# KiCad board Leopold Replacement.kicad_pcb
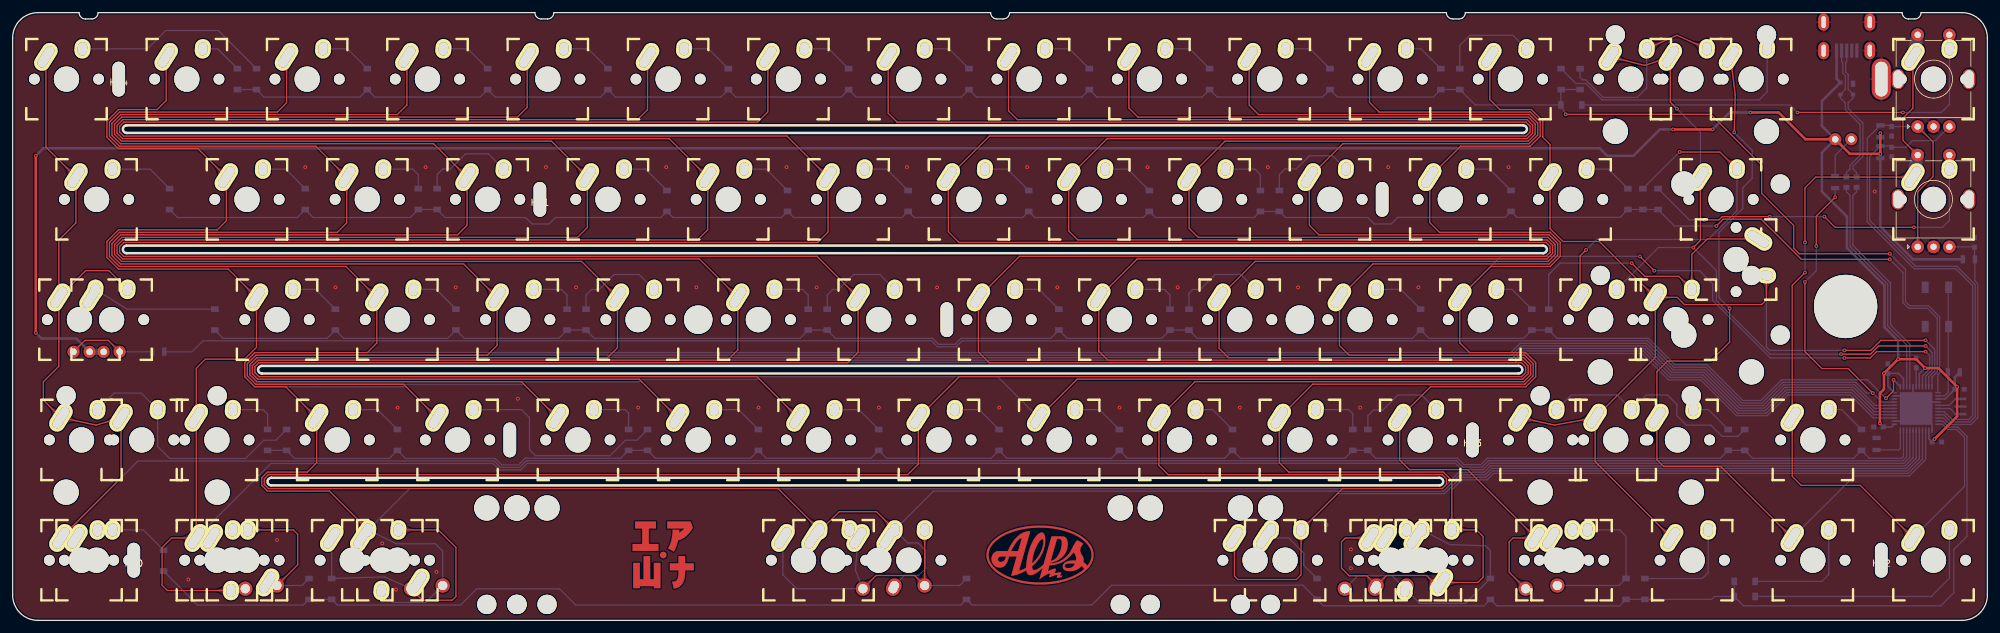
[diagram p0: board, top side]
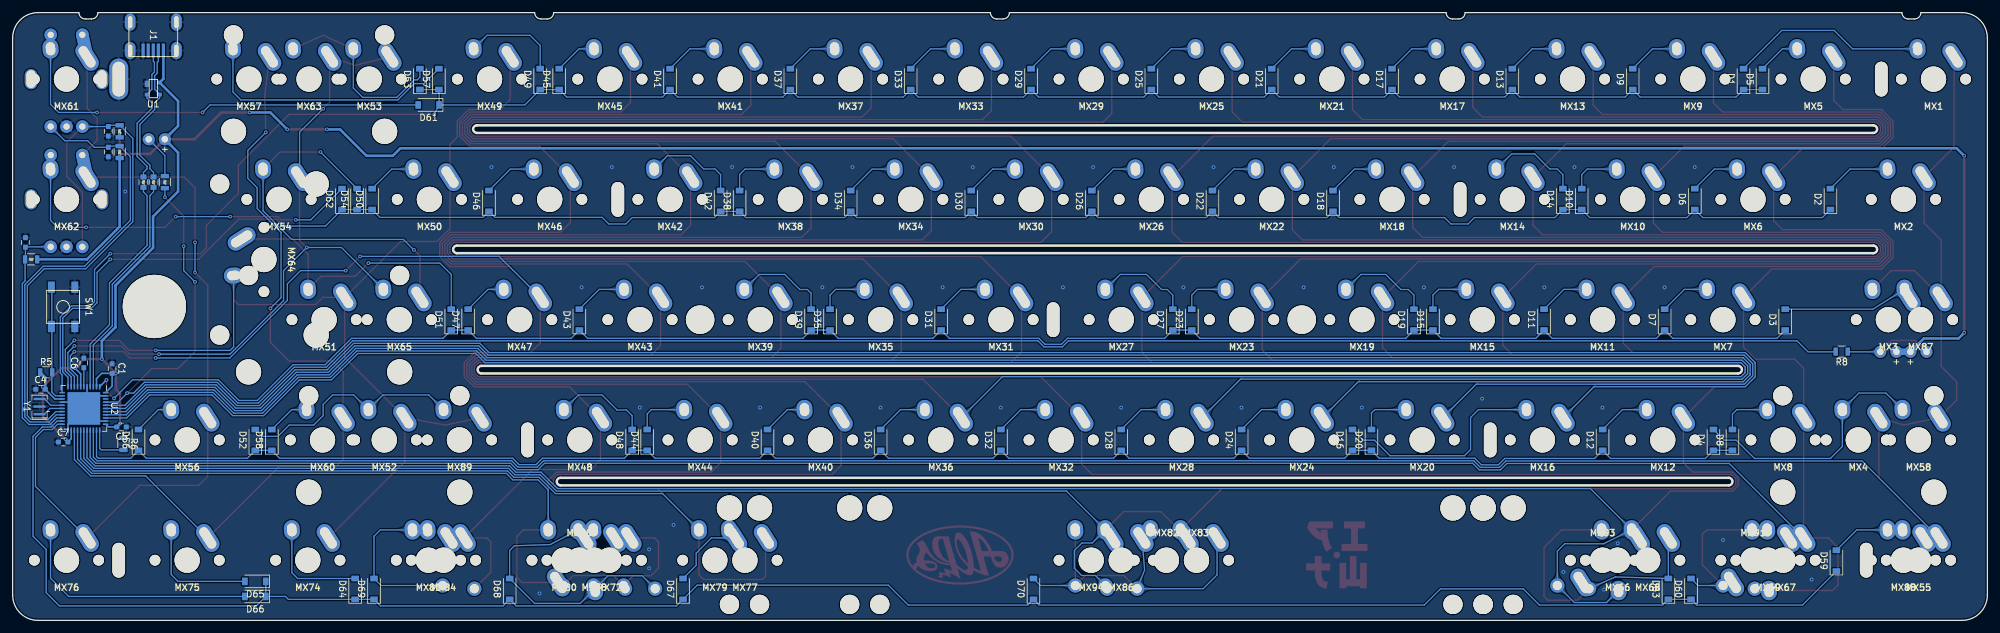
[diagram p1: board, bottom side, seen from below]

Outline 311.97 x 96.05 mm; copper layers: Top, Bottom. Coordinates in mm from the lower left corner of the outline.
Outline path: 0,92.05 0,4 arc(1.17,1.17) 4,0 307.97,0 arc(310.79,1.17) 311.97,4 311.97,92.05 arc(310.79,94.88) 307.97,96.05 301.5,96.05 arc(301.21,95.34) 300.5,95.05 299.5,95.05 arc(298.79,95.34) 298.5,96.05 229.5,96.05 arc(229.21,95.34) 228.5,95.05 227.5,95.05 arc(226.79,95.34) 226.5,96.05 157.5,96.05 arc(157.21,95.34) 156.5,95.05 155.5,95.05 arc(154.79,95.34) 154.5,96.05 85.5,96.05 arc(85.21,95.34) 84.5,95.05 83.5,95.05 arc(82.79,95.34) 82.5,96.05 13.5,96.05 arc(13.21,95.34) 12.5,95.05 11.5,95.05 arc(10.79,95.34) 10.5,96.05 4,96.05 arc(1.17,94.88) 0,92.05 ; 18.01,78.24 238.62,78.24 arc(239.22,77.64) 238.62,77.04 18.01,77.04 arc(17.41,77.64) 18.01,78.24 ; 18.01,59.23 241.78,59.23 arc(242.38,58.63) 241.78,58.03 18.01,58.03 arc(17.41,58.63) 18.01,59.23 ; 39.37,40.22 237.91,40.22 arc(238.51,39.62) 237.91,39.02 39.37,39.02 arc(38.77,39.62) 39.37,40.22 ; 40.86,22.53 225.41,22.53 arc(226.01,21.93) 225.41,21.33 40.86,21.33 arc(40.26,21.93) 40.86,22.53

## Placement (name value [footprint] x y rotation side)
C1  10uF  [C_0603]  296.25 39.79 270 bottom
C2  0.1uF  [C_0603]  296.85 77.3 90 bottom
C3  0.1uF  [C_0603]  296.85 74.02 270 bottom
C4  0.1uF  [C_0603]  307.56 36.52 180 bottom
C5  0.1uF  [C_0603]  294.77 30.57 0 bottom
C6  1uF  [C_0603]  300.72 40.69 90 bottom
C7  0.1uF  [C_0603]  303.99 28.18 180 bottom
C8  0.1uF  [C_0603]  309.95 59.74 90 bottom
D1  D  [D_SOD-123]  38.52 85.55 90 bottom
D2  D  [D_SOD-123]  24.79 66.58 90 bottom
D3  D  [D_SOD-123]  31.93 47.53 90 bottom
D4  D  [D_SOD-123]  43.27 28.52 90 bottom
D5  D  [D_SOD-123]  35.52 85.55 90 bottom
D6  D  [D_SOD-123]  46.22 66.58 90 bottom
D7  D  [D_SOD-123]  50.98 47.53 90 bottom
D8  D  [D_SOD-123]  40.27 28.52 90 bottom
D9  D  [D_SOD-123]  56.03 85.55 90 bottom
D10  D  [D_SOD-123]  64.08 66.58 90 bottom
D11  D  [D_SOD-123]  70.03 47.53 90 bottom
D12  D  [D_SOD-123]  60.78 28.52 90 bottom
D13  D  [D_SOD-123]  75.04 85.55 90 bottom
D14  D  [D_SOD-123]  67.06 66.58 90 bottom
D15  D  [D_SOD-123]  87.58 47.53 90 bottom
D16  D  [D_SOD-123]  100.3 28.52 90 bottom
D17  D  [D_SOD-123]  94.05 85.55 90 bottom
D18  D  [D_SOD-123]  103.37 66.28 90 bottom
D19  D  [D_SOD-123]  90.58 47.53 90 bottom
D20  D  [D_SOD-123]  97.3 28.52 90 bottom
D21  D  [D_SOD-123]  113.06 85.55 90 bottom
D22  D  [D_SOD-123]  122.42 66.28 90 bottom
D23  D  [D_SOD-123]  125.68 47.53 90 bottom
D24  D  [D_SOD-123]  117.81 28.52 90 bottom
D25  D  [D_SOD-123]  132.07 85.55 90 bottom
D26  D  [D_SOD-123]  141.47 66.28 90 bottom
D27  D  [D_SOD-123]  128.68 47.53 90 bottom
D28  D  [D_SOD-123]  136.82 28.52 90 bottom
D29  D  [D_SOD-123]  151.08 85.55 90 bottom
D30  D  [D_SOD-123]  160.52 66.28 90 bottom
D31  D  [D_SOD-123]  165.28 47.53 90 bottom
D32  D  [D_SOD-123]  155.83 28.52 90 bottom
D33  D  [D_SOD-123]  170.09 85.55 90 bottom
D34  D  [D_SOD-123]  179.57 66.28 90 bottom
D35  D  [D_SOD-123]  182.83 47.53 90 bottom
D36  D  [D_SOD-123]  174.84 28.52 90 bottom
D37  D  [D_SOD-123]  189.1 85.55 90 bottom
D38  D  [D_SOD-123]  197.12 66.28 90 bottom
D39  D  [D_SOD-123]  185.83 47.53 90 bottom
D40  D  [D_SOD-123]  192.71 28.52 90 bottom
D41  D  [D_SOD-123]  208.11 85.55 90 bottom
D42  D  [D_SOD-123]  200.12 66.28 90 bottom
D43  D  [D_SOD-123]  222.43 47.53 90 bottom
D44  D  [D_SOD-123]  211.72 28.52 90 bottom
D45  D  [D_SOD-123]  225.62 85.55 90 bottom
D46  D  [D_SOD-123]  236.72 66.28 90 bottom
D47  D  [D_SOD-123]  240 47.53 90 bottom
D48  D  [D_SOD-123]  214.1 28.52 90 bottom
D49  D  [D_SOD-123]  228.62 85.55 90 bottom
D50  D  [D_SOD-123]  255.18 66.58 90 bottom
D51  D  [D_SOD-123]  242.67 47.53 90 bottom
D52  D  [D_SOD-123]  273.63 28.52 90 bottom
D53  D  [D_SOD-123]  247.63 85.55 90 bottom
D54  D  [D_SOD-123]  257.56 66.58 90 bottom
D55  LED  [MXOnly-LEDONLY]  15.63 47.53 0 top
D56  D  [D_SOD-123]  292.08 28.52 90 bottom
D57  D  [D_SOD-123]  244.63 85.55 90 bottom
D58  D  [D_SOD-123]  271.02 28.52 90 bottom
D59  D  [D_SOD-123]  23.84 9.43 90 bottom
D60  D  [D_SOD-123]  46.82 4.97 90 bottom
D61  D  [D_SOD-123]  246.25 81.47 0 bottom
D62  D  [D_SOD-123]  259.94 66.58 90 bottom
D63  D  [D_SOD-123]  50.39 4.97 90 bottom
D64  D  [D_SOD-123]  257.86 4.97 90 bottom
D65  D  [D_SOD-123]  273.63 6.16 0 bottom
D66  D  [D_SOD-123]  273.63 3.78 0 bottom
D67  D  [D_SOD-123]  206.06 4.97 90 bottom
D68  D  [D_SOD-123]  233.45 4.97 90 bottom
D69  D  [D_SOD-123]  254.88 4.97 90 bottom
D70  D  [D_SOD-123]  150.7 4.97 90 bottom
D71  LED  [MXOnly-LEDONLY-FLIPPED]  10.88 47.53 0 top
D72  LED  [MXOnly-LEDONLY-MID]  289.2 76.04 0 top
G***  LOGO  [ALPS]  162.31 10.33 0 top
G***#2  LOGO  [IPWT21x21]  102.78 10.32 0 top
H6  MountingHole  [10mm-Leopold-Mounting-Hole]  289.58 49.61 0 top
H7  MountingHole  [Leopold-Mounting-Hole-Main]  147.58 47.53 0 top
H8  MountingHole  [Leopold-Mounting-Hole-Main]  78.54 28.52 0 top
H9  MountingHole  [Leopold-Mounting-Hole-Main]  216.36 66.54 0 top
H10  MountingHole  [Leopold-Mounting-Hole-Main]  19.13 9.51 0 top
H11  MountingHole  [Leopold-Mounting-Hole-Main]  83.29 66.54 0 top
H12  MountingHole  [Leopold-Mounting-Hole-Main]  295.21 9.51 0 top
H13  MountingHole  [Leopold-Mounting-Hole-Main]  230.62 28.52 0 top
H14  MountingHole  [Leopold-Mounting-Hole-Main]  16.75 85.55 0 top
H15  MountingHole  [Leopold-mounting-hole-circle]  108.31 47.53 0 top
H16  MountingHole  [Leopold-mounting-hole-circle]  203.36 47.53 0 top
J1  USB_B_Mini  [Molex-0548190589]  289.75 94.55 270 bottom
J2  Conn_01x01_Female  [Leopold-Mounting-Hole]  295.21 85.55 0 top
LOGO1  Logo_Open_Hardware_Large  [sanpjxlogo]  28 47.55 0 top
MX1  MX-NoLED-MX_Alps_Hybrid  [Mx_Alps_100]  8.51 85.55 0 top
MX2  MX-NoLED-MX_Alps_Hybrid  [Mx_Alps_100]  13.26 66.54 0 top
MX3  MX-NoLED-MX_Alps_Hybrid  [Mx_Alps_100]  15.63 47.53 0 top
MX4  MX-NoLED-MX_Alps_Hybrid  [Mx_Alps_225]  20.39 28.52 0 top
MX5  MX-NoLED-MX_Alps_Hybrid  [Mx_Alps_100]  27.52 85.55 0 top
MX6  MX-NoLED-MX_Alps_Hybrid  [Mx_Alps_100]  37.02 66.54 0 top
MX7  MX-NoLED-MX_Alps_Hybrid  [Mx_Alps_100]  41.77 47.53 0 top
MX8  MX-NoLED-MX_Alps_Hybrid  [Mx_Alps_100]  32.27 28.52 0 top
MX9  MX-NoLED-MX_Alps_Hybrid  [Mx_Alps_100]  46.52 85.55 0 top
MX10  MX-NoLED-MX_Alps_Hybrid  [Mx_Alps_100]  56.03 66.54 0 top
MX11  MX-NoLED-MX_Alps_Hybrid  [Mx_Alps_100]  60.78 47.53 0 top
MX12  MX-NoLED-MX_Alps_Hybrid  [Mx_Alps_100]  51.28 28.52 0 top
MX13  MX-NoLED-MX_Alps_Hybrid  [Mx_Alps_100]  65.53 85.55 0 top
MX14  MX-NoLED-MX_Alps_Hybrid  [Mx_Alps_100]  75.04 66.54 0 top
MX15  MX-NoLED-MX_Alps_Hybrid  [Mx_Alps_100]  79.79 47.53 0 top
MX16  MX-NoLED-MX_Alps_Hybrid  [Mx_Alps_100]  70.29 28.52 0 top
MX17  MX-NoLED-MX_Alps_Hybrid  [Mx_Alps_100]  84.55 85.55 0 top
MX18  MX-NoLED-MX_Alps_Hybrid  [Mx_Alps_100]  94.05 66.54 0 top
MX19  MX-NoLED-MX_Alps_Hybrid  [Mx_Alps_100]  98.8 47.53 0 top
MX20  MX-NoLED-MX_Alps_Hybrid  [Mx_Alps_100]  89.3 28.52 0 top
MX21  MX-NoLED-MX_Alps_Hybrid  [Mx_Alps_100]  103.56 85.55 0 top
MX22  MX-NoLED-MX_Alps_Hybrid  [Mx_Alps_100]  113.06 66.54 0 top
MX23  MX-NoLED-MX_Alps_Hybrid  [Mx_Alps_100]  117.81 47.53 0 top
MX24  MX-NoLED-MX_Alps_Hybrid  [Mx_Alps_100]  108.31 28.52 0 top
MX25  MX-NoLED-MX_Alps_Hybrid  [Mx_Alps_100]  122.56 85.55 0 top
MX26  MX-NoLED-MX_Alps_Hybrid  [Mx_Alps_100]  132.07 66.54 0 top
MX27  MX-NoLED-MX_Alps_Hybrid  [Mx_Alps_100]  136.82 47.53 0 top
MX28  MX-NoLED-MX_Alps_Hybrid  [Mx_Alps_100]  127.32 28.52 0 top
MX29  MX-NoLED-MX_Alps_Hybrid  [Mx_Alps_100]  141.57 85.55 0 top
MX30  MX-NoLED-MX_Alps_Hybrid  [Mx_Alps_100]  151.08 66.54 0 top
MX31  MX-NoLED-MX_Alps_Hybrid  [Mx_Alps_100]  155.83 47.53 0 top
MX32  MX-NoLED-MX_Alps_Hybrid  [Mx_Alps_100]  146.33 28.52 0 top
MX33  MX-NoLED-MX_Alps_Hybrid  [Mx_Alps_100]  160.59 85.55 0 top
MX34  MX-NoLED-MX_Alps_Hybrid  [Mx_Alps_100]  170.09 66.54 0 top
MX35  MX-NoLED-MX_Alps_Hybrid  [Mx_Alps_100]  174.84 47.53 0 top
MX36  MX-NoLED-MX_Alps_Hybrid  [Mx_Alps_100]  165.34 28.52 0 top
MX37  MX-NoLED-MX_Alps_Hybrid  [Mx_Alps_100]  179.59 85.55 0 top
MX38  MX-NoLED-MX_Alps_Hybrid  [Mx_Alps_100]  189.1 66.54 0 top
MX39  MX-NoLED-MX_Alps_Hybrid  [Mx_Alps_100]  193.85 47.53 0 top
MX40  MX-NoLED-MX_Alps_Hybrid  [Mx_Alps_100]  184.35 28.52 0 top
MX41  MX-NoLED-MX_Alps_Hybrid  [Mx_Alps_100]  198.6 85.55 0 top
MX42  MX-NoLED-MX_Alps_Hybrid  [Mx_Alps_100]  208.11 66.54 0 top
MX43  MX-NoLED-MX_Alps_Hybrid  [Mx_Alps_100]  212.86 47.53 0 top
MX44  MX-NoLED-MX_Alps_Hybrid  [Mx_Alps_100]  203.36 28.52 0 top
MX45  MX-NoLED-MX_Alps_Hybrid  [Mx_Alps_100]  217.62 85.55 0 top
MX46  MX-NoLED-MX_Alps_Hybrid  [Mx_Alps_100]  227.12 66.54 0 top
MX47  MX-NoLED-MX_Alps_Hybrid  [Mx_Alps_100]  231.87 47.53 0 top
MX48  MX-NoLED-MX_Alps_Hybrid  [Mx_Alps_100]  222.37 28.52 0 top
MX49  MX-NoLED-MX_Alps_Hybrid  [Mx_Alps_100]  236.62 85.55 0 top
MX50  MX-NoLED-MX_Alps_Hybrid  [Mx_Alps_100]  246.13 66.54 0 top
MX51  MX-NoLED-MX_Alps_Hybrid  [Mx_Alps_225]  262.76 47.53 0 top
MX52  MX-NoLED-MX_Alps_Hybrid  [Mx_Alps_225]  253.26 28.52 0 top
MX53  MX-NoLED-MX_Alps_Hybrid  [Mx_Alps_100]  255.63 85.55 0 top
MX54  MX-NoLED-MX_Alps_Hybrid  [Mx_Alps_100]  269.89 66.54 0 top
MX55  MX-NoLED-MX_Alps_Hybrid  [Mx_Alps_125]  10.88 9.51 0 top
MX56  MX-NoLED-MX_Alps_Hybrid  [Mx_Alps_100]  284.4 28.52 0 top
MX57  MX-NoLED-MX_Alps_Hybrid  [Mx_Alps_100]  274.64 85.55 0 top
MX58  MX-NoLED-MX_Alps_Hybrid  [Mx_Alps_100]  10.88 28.52 0 top
MX59  MX-NoLED-MX_Alps_Hybrid  [Mx_Alps_125]  34.64 9.51 0 top
MX60  MX-NoLED-MX_Alps_Hybrid  [Mx_Alps_100]  263.01 28.52 0 top
MX61  MX-NoLED-MX_Alps_Hybrid  [Mx_Alps_100]  303.46 85.55 0 top
MX62  MX-NoLED-MX_Alps_Hybrid  [Mx_Alps_100]  303.46 66.54 0 top
MX63  MX-NoLED-MX_Alps_Hybrid  [Mx_Alps_200]  265.14 85.55 0 top
MX64  MX-NoLED-MX_Alps_Hybrid  [Mx_Alps_225]  272.27 57.03 270 top
MX65  MX-NoLED-MX_Alps_Hybrid  [Mx_Alps_100]  250.88 47.53 0 top
MX66  MX-NoLED-MX_Alps_Hybrid  [Mx_Alps_125]  58.41 9.51 0 top
MX67  MX-NoLED-MX_Alps_Hybrid  [Mx_Alps_100]  32.27 9.51 0 top
MX68  MX-NoLED-MX_Alps_Hybrid  [Mx_Alps_125]  53.65 9.51 0 top
MX69  MX-NoLED-MX_Alps_Hybrid  [ALPS-1.5U]  222.47 9.51 180 top
MX70  MX-NoLED-MX_Alps_Hybrid  [ALPS-1.5U]  241.53 9.51 180 top
MX71  MX-NoLED-MX_Alps_Hybrid  [ALPS-1.5U]  212.96 9.51 180 top
MX72  MX-NoLED-MX_Alps_Hybrid  [Mx_Alps_150]  217.71 9.51 0 top
MX73  MX-NoLED-MX_Alps_Hybrid  [ALPS-6.5U]  141.57 9.51 180 top
MX74  MX-NoLED-MX_Alps_Hybrid  [Mx_Alps_100]  265.34 9.51 0 top
MX75  MX-NoLED-MX_Alps_Hybrid  [Mx_Alps_100]  284.4 9.51 0 top
MX76  MX-NoLED-MX_Alps_Hybrid  [Mx_Alps_100]  303.46 9.51 0 top
MX77  MX-NoLED-MX_Alps_Hybrid  [Mx_Alps_125]  196.28 9.51 0 top
MX78  MX-NoLED-MX_Alps_Hybrid  [Mx_Alps_125]  220.09 9.51 0 top
MX79  MX-NoLED-MX_Alps_Hybrid  [Mx_Alps_125]  201.03 9.51 0 top
MX80  MX-NoLED-MX_Alps_Hybrid  [Mx_Alps_125]  224.84 9.51 0 top
MX81  MX-NoLED-MX_Alps_Hybrid  [Mx_Alps_100]  246.28 9.51 0 top
MX82  MX-NoLED-MX_Alps_Hybrid  [Mx_Alps_625_FL]  129.69 9.51 180 top
MX83  MX-NoLED-MX_Alps_Hybrid  [Mx_Alps_625_FL]  124.94 9.51 180 top
MX84  MX-NoLED-MX_Alps_Hybrid  [Mx_Alps_125]  243.9 9.51 0 top
MX85  MX-NoLED-MX_Alps_Hybrid  [ALPS-6.5U]  136.82 9.51 180 top
MX86  MX-NoLED-MX_Alps_Hybrid  [Mx_Alps_700_FL]  136.82 9.51 180 top
MX87  MX-NoLED-MX_Alps_Hybrid  [Mx_Alps_125]  10.55 47.53 0 top
MX88  MX-NoLED-MX_Alps_Hybrid  [Mx_Alps_150]  13.26 9.51 0 top
MX89  MX-NoLED-MX_Alps_Hybrid  [Mx_Alps_100]  241.38 28.52 0 top
MX90  MX-NoLED-MX_Alps_Hybrid  [ALPS-1.25U]  39.25 9.51 180 top
MX91  MX-NoLED-MX_Alps_Hybrid  [Mx_Alps_100]  37.02 9.51 180 top
MX92  MX-NoLED-MX_Alps_Hybrid  [ALPS-1.5U]  65.43 9.51 180 top
MX93  MX-NoLED-MX_Alps_Hybrid  [Mx_Alps_150]  60.78 9.51 180 top
MX94  MX-NoLED-MX_Alps_Hybrid  [Mx_Alps_700_FL]  141.57 9.51 180 top
MX95  MX-NoLED-MX_Alps_Hybrid  [ALPS-1.5U]  217.71 9.51 180 top
MX96  MX-NoLED-MX_Alps_Hybrid  [Mx_Alps_150]  222.47 9.51 180 top
R1  10k  [R_0805]  295.06 77.3 270 bottom
R2  10k  [R_0805]  295.06 74.02 90 bottom
R3  22  [R_0603]  291.3 69.26 90 bottom
R4  22  [R_0603]  289.7 69.26 90 bottom
R5  10k  [R_0805]  306.67 39.2 180 bottom
R6  1k  [R_0805]  294.47 27.89 270 bottom
R7  10k  [R_0805]  309.05 57.06 0 bottom
R8  300  [R_0805]  23 42.47 0 bottom
R9  300  [R_0805]  287.92 69.26 270 bottom
SW1  SW_Push  [SKQG-1155865]  304 49.55 90 bottom
SW2  Rotary_Encoder_Switch  [RotaryEncoder_Alps_EC11E-Switch_Vertical_H20mm_Center]  303.46 85.55 90 top
SW3  Rotary_Encoder_Switch  [RotaryEncoder_Alps_EC11E-Switch_Vertical_H20mm_Center]  303.46 66.54 90 top
U1  PRTR5V0U2X  [SOT143B]  289.75 84.05 180 bottom
U2  ATmega32U4-MU  [QFN-44-1EP_7x7mm_P0.5mm_EP5.15x5.15mm]  300.72 33.49 270 bottom
Y1  Resonator  [Resonator_SMD_muRata_CSTxExxV-3Pin_3.0x1.1mm]  307.72 33.79 90 bottom

## Library data of the parts
G*** = -: Field5: G***
LOGO1 = -: Field4: LOGO1

## Footprints (pads in the part's own frame, mm; a bottom-side part is the same pattern mirrored in y, then rotated)
10mm-Leopold-Mounting-Hole
  round 10 hole 10 unplated: (0,0)
ALPS-1.5U
  round 2.25 hole 1.47: 1(-2.5,4) 2(2.5,4.5)
ALPS-1.25U
  round 2.25 hole 1.47: 1(-2.5,4) 2(2.5,4.5)
ALPS-6.5U
  round 2.25 hole 1.47: 1(-2.5,4) 2(2.5,4.5)
C_0603
  rect 0.8x0.75 smd: 1(-0.75,0) 2(0.75,0)
D_SOD-123
  rect 0.9x1.2 smd: 1(-1.65,0) 2(1.65,0)
Leopold-Mounting-Hole
  oval 3x6.5 hole 2x5.5: 1(0,0)
Leopold-mounting-hole-circle
  round 4.5 hole 4.5 unplated: (0,0)
Leopold-Mounting-Hole-Main
  oval 2x5.5 hole 2x5.5 unplated: (0,0)
Molex-0548190589
  rect 2.25x0.5 smd: 1(4.5,1.6) 2(4.5,0.8) 3(4.5,0) 4(4.5,-0.8) 5(4.5,-1.6)
  oval 2.7x1.7 hole 1.9x0.7: 6(0,-3.65) 6(0,3.65) 6(4.5,-3.65) 6(4.5,3.65)
Mx_Alps_100
  round 1.702 hole 1.702 unplated: (-5.08,0) (5.08,0)
  round 3.988 hole 3.988 unplated: (0,0)
  oval 2.5x4.75 hole 1.5x3.75 rot 147.5: 1(-3.255,3.52)
  oval 2.5x3.08 hole 1.5x2.08 rot 176.1: 2(2.52,4.79)
Mx_Alps_125
  round 1.702 hole 1.702 unplated: (-5.08,0) (5.08,0)
  round 3.988 hole 3.988 unplated: (0,0)
  oval 2.5x4.75 hole 1.5x3.75 rot 147.5: 1(-3.255,3.52)
  oval 2.5x3.08 hole 1.5x2.08 rot 176.1: 2(2.52,4.79)
Mx_Alps_150
  round 1.702 hole 1.702 unplated: (-5.08,0) (5.08,0)
  round 3.988 hole 3.988 unplated: (0,0)
  oval 2.5x4.75 hole 1.5x3.75 rot 147.5: 1(-3.255,3.52)
  oval 2.5x3.08 hole 1.5x2.08 rot 176.1: 2(2.52,4.79)
Mx_Alps_200
  round 3.048 hole 3.048 unplated: (-11.938,6.985) (11.938,6.985)
  round 3.988 hole 3.988 unplated: (-11.938,-8.255) (0,0) (11.938,-8.255)
  round 1.702 hole 1.702 unplated: (-5.08,0) (5.08,0)
  oval 2.5x4.75 hole 1.5x3.75 rot 147.5: 1(-3.255,3.52)
  oval 2.5x3.08 hole 1.5x2.08 rot 176.1: 2(2.52,4.79)
Mx_Alps_225
  round 3.048 hole 3.048 unplated: (-11.938,6.985) (11.938,6.985)
  round 3.988 hole 3.988 unplated: (-11.938,-8.255) (0,0) (11.938,-8.255)
  round 1.702 hole 1.702 unplated: (-5.08,0) (5.08,0)
  oval 2.5x4.75 hole 1.5x3.75 rot 147.5: 1(-3.255,3.52)
  oval 2.5x3.08 hole 1.5x2.08 rot 176.1: 2(2.52,4.79)
Mx_Alps_625_FL
  round 3.048 hole 3.048 unplated: (-50.038,6.985) (50.038,6.985)
  round 3.988 hole 3.988 unplated: (-50.038,-8.255) (0,0) (50.038,-8.255)
  round 1.702 hole 1.702 unplated: (-5.08,0) (5.08,0)
  oval 2.5x4.75 hole 1.5x3.75 rot 147.5: 1(3.255,-3.52)
  oval 2.5x3.08 hole 1.5x2.08 rot 176.1: 2(-2.52,-4.79)
Mx_Alps_700_FL
  round 3.048 hole 3.048 unplated: (-57.15,6.985) (57.15,6.985)
  round 3.988 hole 3.988 unplated: (-57.15,-8.255) (0,0) (57.15,-8.255)
  round 1.702 hole 1.702 unplated: (-5.08,0) (5.08,0)
  oval 2.5x4.75 hole 1.5x3.75 rot 147.5: 1(3.255,-3.52)
  oval 2.5x3.08 hole 1.5x2.08 rot 176.1: 2(-2.52,-4.79)
MXOnly-LEDONLY
  round 1.905 hole 1.04: 1(1.27,-5.08) 2(-1.27,-5.08)
MXOnly-LEDONLY-FLIPPED
  round 1.905 hole 1.04: 1(-1.27,-5.08) 2(1.27,-5.08)
MXOnly-LEDONLY-MID
  round 1.905 hole 1.04: 1(1.27,0) 2(-1.27,0)
QFN-44-1EP_7x7mm_P0.5mm_EP5.15x5.15mm
  rrect 1.04x1.04 smd: (-1.935,-1.935) (-1.935,-0.645) (-1.935,0.645) (-1.935,1.935) (-0.645,-1.935) (-0.645,-0.645) (-0.645,0.645) (-0.645,1.935) (0.645,-1.935) (0.645,-0.645) (0.645,0.645) (0.645,1.935) (1.935,-1.935) (1.935,-0.645) (1.935,0.645) (1.935,1.935)
  rrect 0.875x0.25 smd: 1(-3.438,2.5) 2(-3.438,2) 3(-3.438,1.5) 4(-3.438,1) 5(-3.438,0.5) 6(-3.438,0) 7(-3.438,-0.5) 8(-3.438,-1) 9(-3.438,-1.5) 10(-3.438,-2) 11(-3.438,-2.5) 23(3.438,-2.5) 24(3.438,-2) 25(3.438,-1.5) 26(3.438,-1) 27(3.438,-0.5) 28(3.438,0) 29(3.438,0.5) 30(3.438,1) 31(3.438,1.5) 32(3.438,2) 33(3.438,2.5)
  rrect 0.25x0.875 smd: 12(-2.5,-3.438) 13(-2,-3.438) 14(-1.5,-3.438) 15(-1,-3.438) 16(-0.5,-3.438) 17(0,-3.438) 18(0.5,-3.438) 19(1,-3.438) 20(1.5,-3.438) 21(2,-3.438) 22(2.5,-3.438) 34(2.5,3.438) 35(2,3.438) 36(1.5,3.438) 37(1,3.438) 38(0.5,3.438) 39(0,3.438) 40(-0.5,3.438) 41(-1,3.438) 42(-1.5,3.438) 43(-2,3.438) 44(-2.5,3.438)
  rect 5.15x5.15 smd: 45(0,0)
R_0603
  rect 0.8x0.95 smd: 1(-0.825,0) 2(0.825,0)
R_0805
  rect 0.7x1.3 smd: 1(-0.95,0) 2(0.95,0)
Resonator_SMD_muRata_CSTxExxV-3Pin_3.0x1.1mm
  rect 0.4x1.9 smd: 1(-1.2,0) 2(0,0) 3(1.2,0)
RotaryEncoder_Alps_EC11E-Switch_Vertical_H20mm_Center
  round 2 hole 1: A(-7.5,2.5) B(-7.5,-2.5) C(-7.5,0) S1(7,-2.5) S2(7,2.5)
  oval 3.2x2 hole 2.8x1.5: MP(0,5.6) MP(0,-5.6)
SKQG-1155865
  rect 1.8x1.1 smd: 1(-3.1,-1.85) 1(3.1,-1.85) 2(-3.1,1.85) 2(3.1,1.85)
SOT143B
  rect 0.7x1 smd: 1(-1,0.75)
  rect 0.7x0.6 smd: 2(-1,-0.95) 3(1,-0.95) 4(1,0.95)

## Nets
+5V: C1.2 C4.2 C5.2 C7.2 D55.2 D71.2 D72.2 J1.1 R1.2 R2.1 R5.1 R7.1 U1.4 U2.2 U2.7 U2.14 U2.24 U2.34 U2.44
GND: C1.1 C2.1 C3.2 C4.1 C5.1 C6.2 C7.1 C8.2 J1.5 J1.6 J2.1 R6.1 SW1.1 SW2.C SW3.C U1.1 U2.5 U2.15 U2.23 U2.35 U2.43 U2.45 Y1.2
/R+: J1.3 R3.2 U1.2
/R-: J1.2 R4.2 U1.3
Col0: MX1.1 MX2.1 MX3.2 MX4.1 MX55.1 MX58.1 MX87.1 MX88.1 U2.31
Col1: MX5.1 MX6.1 MX7.1 MX8.1 MX59.1 MX67.1 MX90.2 MX91.2 U2.30
Col2: MX9.1 MX10.1 MX11.1 MX12.1 MX66.1 MX68.2 MX92.1 MX93.2 U2.29
Col3: MX13.1 MX14.1 MX15.1 MX16.1 U2.40
Col4: MX17.1 MX18.1 MX19.1 MX20.1 U2.39
Col5: MX21.1 MX22.1 MX23.1 MX24.1 U2.38
Col6: MX25.1 MX26.1 MX27.1 MX28.1 U2.37
Col7: MX29.1 MX30.1 MX31.1 MX32.1 MX73.2 MX82.1 MX83.2 MX85.1 MX86.2 MX94.1 U2.28
Col8: MX33.1 MX34.1 MX35.1 MX36.1 U2.36
Col9: MX37.1 MX38.1 MX39.1 MX40.1 MX77.1 MX79.2 U2.27
Col10: MX41.1 MX42.1 MX43.1 MX44.1 MX69.1 MX71.1 MX72.1 MX78.1 MX80.2 MX95.2 MX96.1 U2.26
Col11: MX45.1 MX46.1 MX47.1 MX48.1 MX70.2 MX81.1 MX84.1 U2.8
Col12: MX49.1 MX50.1 MX51.1 MX52.1 MX64.2 MX74.1 MX89.1 U2.10
Col13: MX53.1 MX54.1 MX63.1 MX65.2 U2.9
Col14: MX57.1 MX60.1 MX75.1 U2.25
Col15: MX56.1 MX61.1 MX62.1 MX76.1 SW2.S2 SW3.S2 U2.22
D+: R3.1 U2.4
D-: R4.1 U2.3
EC_A: C2.2 R1.1 SW2.A SW3.A U2.18
EC_B: C3.1 R2.2 SW2.B U2.19
EC_C: C8.1 R7.2 SW3.B U2.20
Row0: D1.1 D5.1 D9.1 D13.1 D17.1 D21.1 D25.1 D29.1 D33.1 D37.1 D41.1 D45.1 D49.1 D53.1 D57.1 D61.1 U2.12
Row1: D2.1 D6.1 D10.1 D14.1 D18.1 D22.1 D26.1 D30.1 D34.1 D38.1 D42.1 D46.1 D50.1 D54.1 D62.1 U2.11
Row2: D3.1 D7.1 D11.1 D15.1 D19.1 D23.1 D27.1 D31.1 D35.1 D39.1 D43.1 D47.1 D51.1 U2.1
Row3: D4.1 D8.1 D12.1 D16.1 D20.1 D24.1 D28.1 D32.1 D36.1 D40.1 D44.1 D48.1 D52.1 D56.1 D58.1 U2.32
Row4: D59.1 D60.1 D63.1 D64.1 D65.1 D66.1 D67.1 D68.1 D69.1 D70.1 U2.21
RST: R5.2 SW1.2 U2.13
Net-(C6-Pad1): C6.1 U2.6
Net-(D1-Pad2): D1.2 MX1.2
Net-(D2-Pad2): D2.2 MX2.2
Net-(D3-Pad2): D3.2 MX3.1 MX87.2
Net-(D4-Pad2): D4.2 MX4.2 MX58.2
Net-(D5-Pad2): D5.2 MX5.2
Net-(D6-Pad2): D6.2 MX6.2
Net-(D7-Pad2): D7.2 MX7.2
Net-(D8-Pad2): D8.2 MX8.2
Net-(D9-Pad2): D9.2 MX9.2
Net-(D10-Pad2): D10.2 MX10.2
Net-(D11-Pad2): D11.2 MX11.2
Net-(D12-Pad2): D12.2 MX12.2
Net-(D13-Pad2): D13.2 MX13.2
Net-(D14-Pad2): D14.2 MX14.2
Net-(D15-Pad2): D15.2 MX15.2
Net-(D16-Pad2): D16.2 MX16.2
Net-(D17-Pad2): D17.2 MX17.2
Net-(D18-Pad2): D18.2 MX18.2
Net-(D19-Pad2): D19.2 MX19.2
Net-(D20-Pad2): D20.2 MX20.2
Net-(D21-Pad2): D21.2 MX21.2
Net-(D22-Pad2): D22.2 MX22.2
Net-(D23-Pad2): D23.2 MX23.2
Net-(D24-Pad2): D24.2 MX24.2
Net-(D25-Pad2): D25.2 MX25.2
Net-(D26-Pad2): D26.2 MX26.2
Net-(D27-Pad2): D27.2 MX27.2
Net-(D28-Pad2): D28.2 MX28.2
Net-(D29-Pad2): D29.2 MX29.2
Net-(D30-Pad2): D30.2 MX30.2
Net-(D31-Pad2): D31.2 MX31.2
Net-(D32-Pad2): D32.2 MX32.2
Net-(D33-Pad2): D33.2 MX33.2
Net-(D34-Pad2): D34.2 MX34.2
Net-(D35-Pad2): D35.2 MX35.2
Net-(D36-Pad2): D36.2 MX36.2
Net-(D37-Pad2): D37.2 MX37.2
Net-(D38-Pad2): D38.2 MX38.2
Net-(D39-Pad2): D39.2 MX39.2
Net-(D40-Pad2): D40.2 MX40.2
Net-(D41-Pad2): D41.2 MX41.2
Net-(D42-Pad2): D42.2 MX42.2
Net-(D43-Pad2): D43.2 MX43.2
Net-(D44-Pad2): D44.2 MX44.2
Net-(D45-Pad2): D45.2 MX45.2
Net-(D46-Pad2): D46.2 MX46.2
Net-(D47-Pad2): D47.2 MX47.2
Net-(D48-Pad2): D48.2 MX48.2
Net-(D49-Pad2): D49.2 MX49.2
Net-(D50-Pad2): D50.2 MX50.2
Net-(D51-Pad2): D51.2 MX51.2 MX64.1
Net-(D52-Pad2): D52.2 MX52.2 MX89.2
Net-(D53-Pad2): D53.2 MX53.2 MX63.2
Net-(D54-Pad2): D54.2 MX54.2 MX65.1
Net-(D55-Pad1): D55.1 D71.1 R8.1
Net-(D56-Pad2): D56.2 MX56.2
Net-(D57-Pad2): D57.2 MX57.2
Net-(D58-Pad2): D58.2 MX60.2
Net-(D59-Pad2): D59.2 MX55.2 MX88.2
Net-(D60-Pad2): D60.2 MX59.2 MX67.2 MX90.1 MX91.1
Net-(D61-Pad2): D61.2 MX61.2
Net-(D62-Pad2): D62.2 MX62.2
Net-(D63-Pad2): D63.2 MX66.2 MX68.1 MX92.2 MX93.1
Net-(D64-Pad2): D64.2 MX74.2
Net-(D65-Pad2): D65.2 MX75.2
Net-(D66-Pad2): D66.2 MX76.2
Net-(D67-Pad2): D67.2 MX77.2 MX79.1
Net-(D68-Pad2): D68.2 MX69.2 MX71.2 MX72.2 MX78.2 MX80.1 MX95.1 MX96.2
Net-(D69-Pad2): D69.2 MX70.1 MX81.2 MX84.2
Net-(D70-Pad2): D70.2 MX73.1 MX82.2 MX83.1 MX85.2 MX86.1 MX94.2
Net-(D72-Pad1): D72.1 R9.1
Net-(R6-Pad2): R6.2 U2.33
Net-(R8-Pad2): R8.2 R9.2 U2.41
Net-(U2-Pad16): U2.16 Y1.3
Net-(U2-Pad17): U2.17 Y1.1

Pads without a net: J1 4; SW2 MP S1; SW3 MP S1; U2 42

## Via types
v1: diameter 0.6, hole 0.3, Top to Bottom, 86 vias
